# KiCad board Panel3-copy.kicad_pcb (continued)
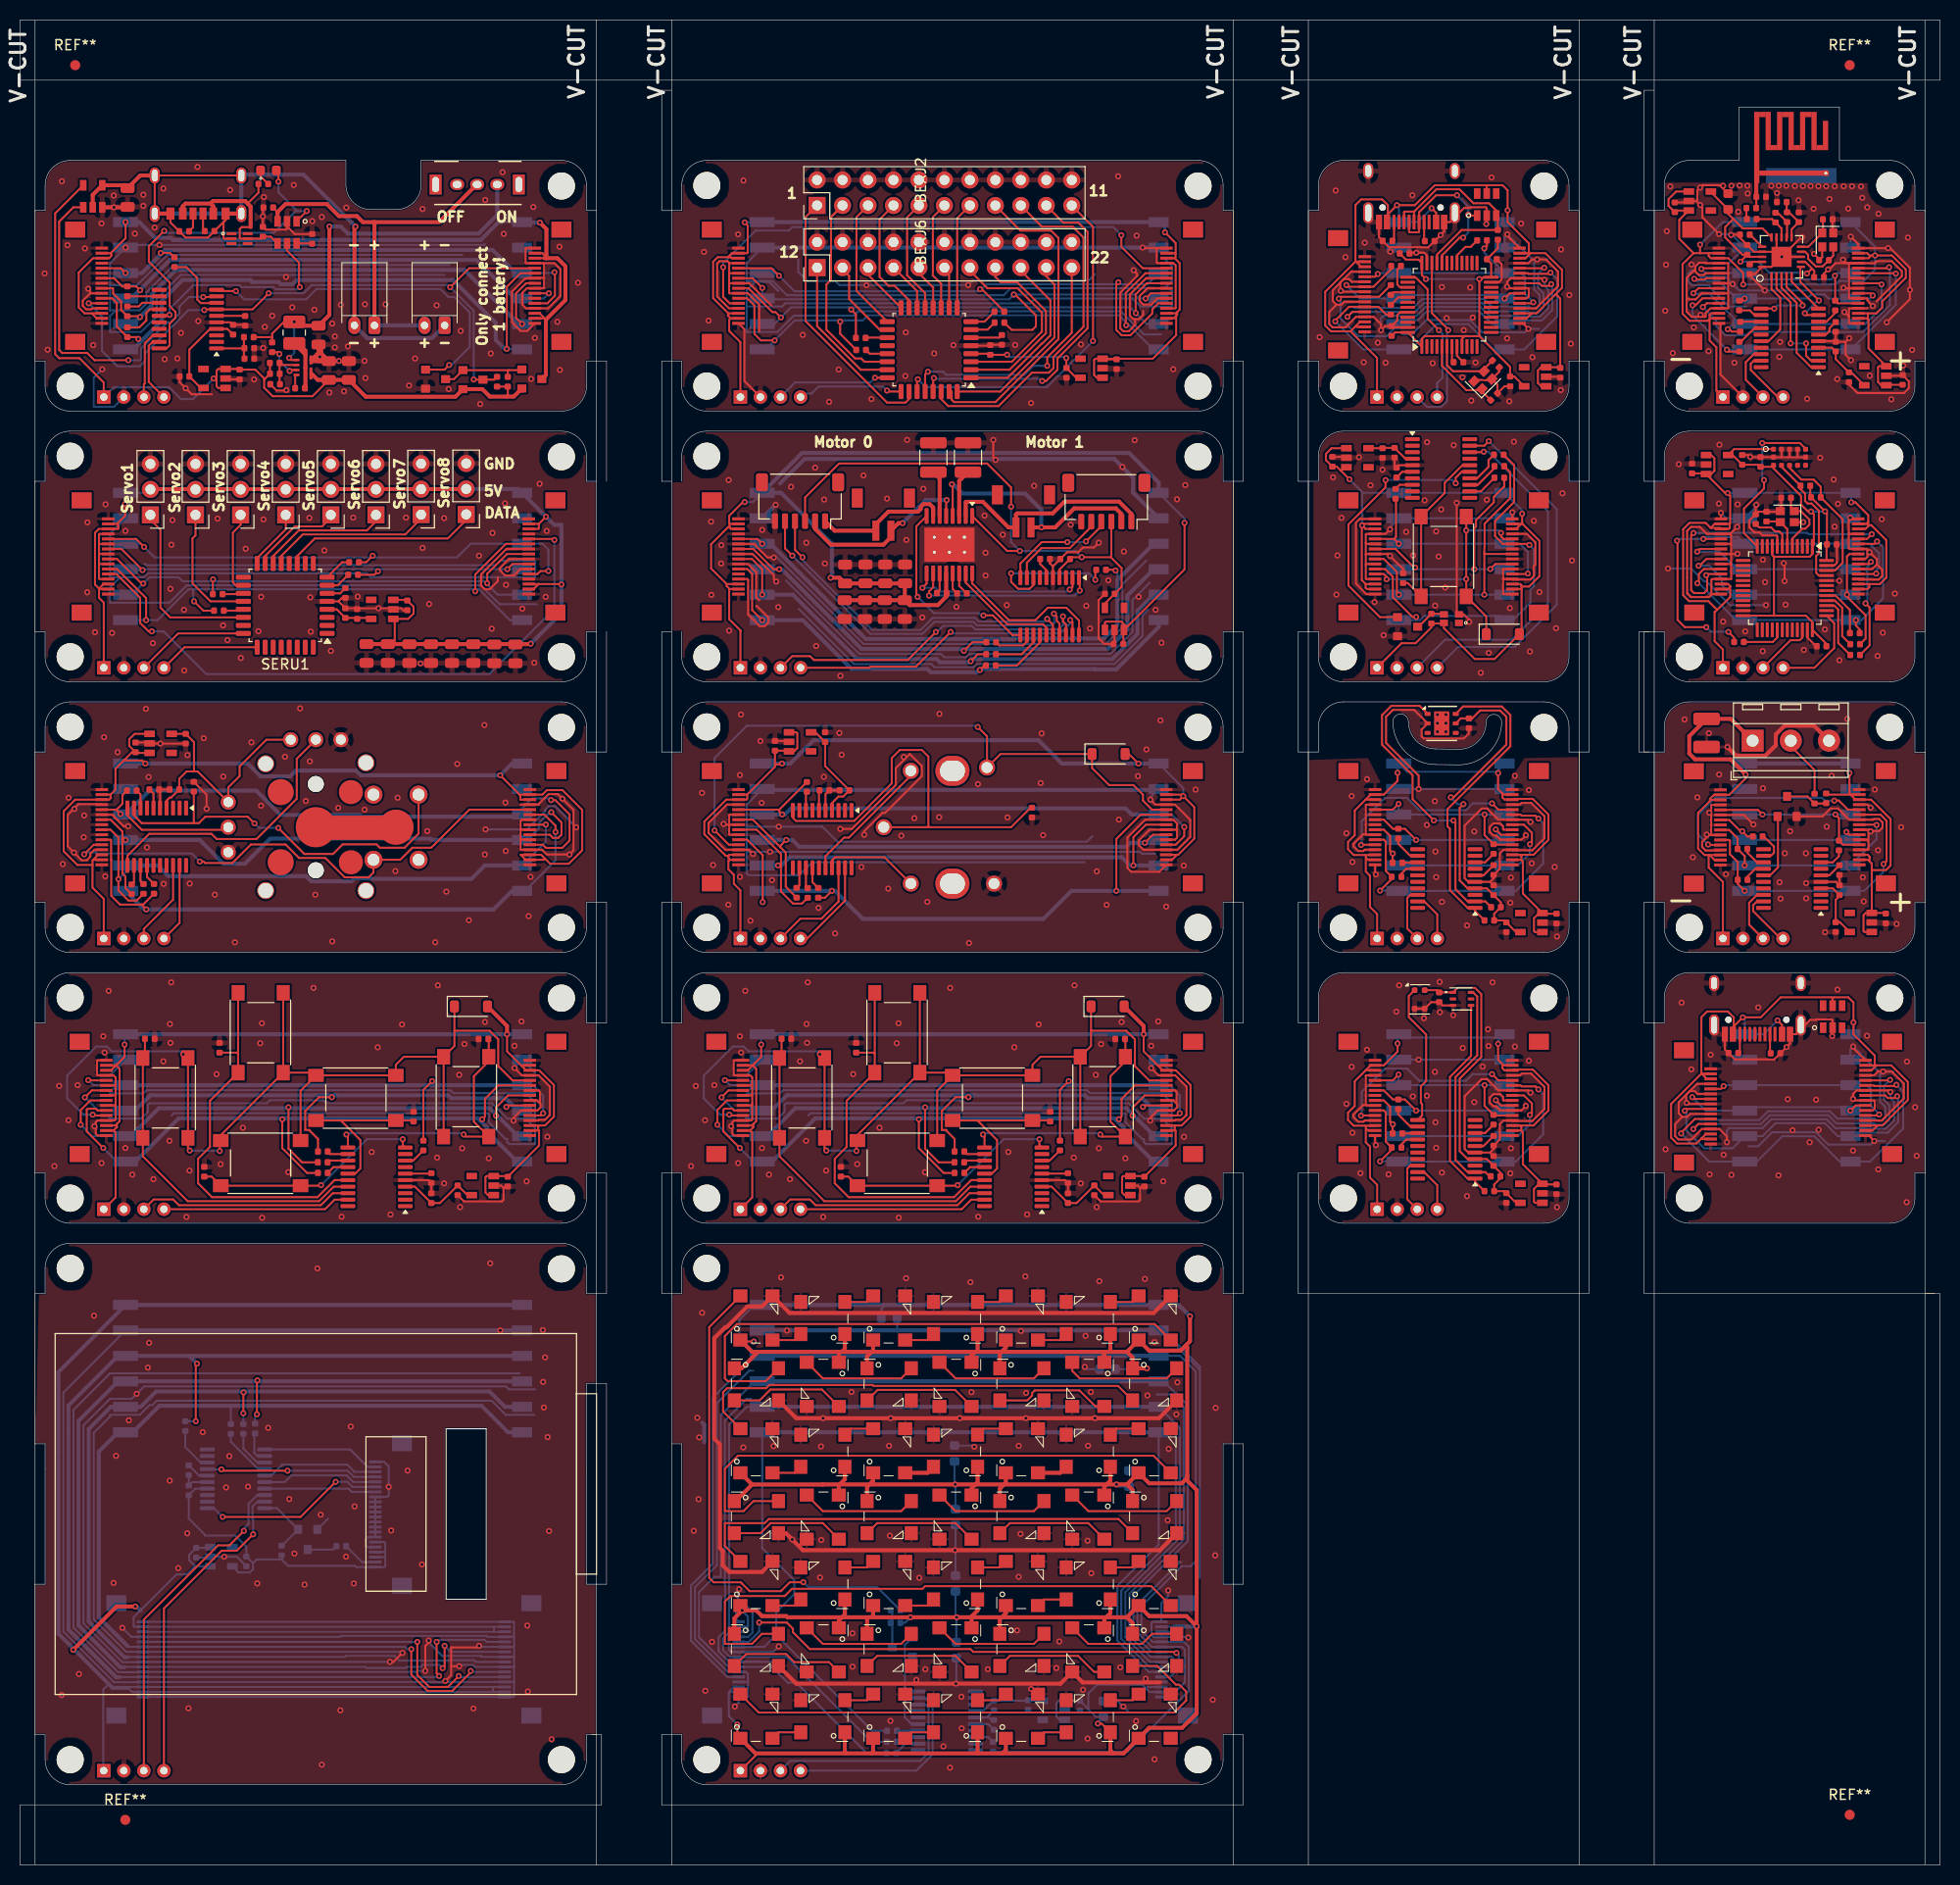
[diagram p0: board, top side]
## Routing (per net, layer and track width the routed paths; a pad name or vN(x,y) marks a point on that pad's centre or on a via; arc(x,y) is an arc through that point) (continued)
USB_Interrupt5V: length 29.6
  Top w0.2: USBJ6.12 151.97,159.25 v1(152.03,159.3) ; USBJ5.12 132.9,154.9 v1(132.4,154.4)
  Bottom w0.2: v1(152.03,159.3) 151.43,158.7 151.43,157.29 151.95,156.77 151.95,155.33 151.45,154.84 150.54,154.84 150.42,154.95 146.68,154.95 145.86,155.78 140.02,155.78 139.13,154.89 132.89,154.89 v1(132.4,154.4)
USB_MISO: length 38.2
  Top w0.2: v1(131.54,156.22) 131.73,156.4 USBJ5.9 135.56,156.4 USBR6.2 ; USBJ6.9 151.54,157.75 151.8,157.49 152.55,157.49 v1(152.73,157.66)
  Bottom w0.2: USBJ3.2 148.42,154.04 151.78,154.04 152.82,155.07 152.82,157.57 v1(152.73,157.66) ; USBJ3.2 146.81,153.69 145.53,154.97 140.35,154.97 139.47,154.09 137.93,154.09 USBJ1.5 136.31,152.47 133.47,152.47 131.71,154.24 131.71,156.05 v1(131.54,156.22) ; USBJ3.2 147.57,153.69
USB_MISO_UC: length 1.6
  Top w0.2: 138.26,156.85 136.97,156.85 USBR6.1
USB_MOSI: length 41.1
  Top w0.2: USBR4.2 136.26,154.63 135.49,155.4 USBJ5.11 134.12,155.4 132.55,155.4 131.18,154.03 v1(131.18,153.95) ; v1(152.66,158.81) 152.54,158.69 150.46,158.69 150.4,158.75 USBJ6.11
  Bottom w0.2: v1(152.66,158.81) 153.33,158.13 153.33,154.45 150.03,151.15 USBJ3.1 147,151.15 144.47,153.68 141.28,153.68 138.75,151.15 USBJ1.6 133.99,151.15 v1(131.18,153.95)
USB_MOSI_UC: length 1.8
  Top w0.2: 138.26,156.35 137.47,156.35 USBR4.1
USB_Net-(J2-CC1): length 1.9
  Top w0.2: 140.04,163.85 140.04,162.02 140.12,161.95
USB_Net-(J2-CC2): length 1.9
  Top w0.2: 137.04,163.85 137.04,162.13 136.88,161.97
USB_Net-(U1-NRST): length 1.6
  Top w0.2: USBC4.2 142.82,150.04 USBU1.7
USB_OSC_IN: length 8.4
  Top w0.2: USBU1.5 141.82,149.52 144.26,147.08 145.69,147.08 USBY2.1 145.81,146.96 USBC6.2
USB_OSC_OUT: length 7.2
  Top w0.2: USBU1.6 142.32,149.58 142.93,148.97 146.03,148.97 146.03,149.21 USBC7.2
USB_PS: length 25.1
  Top w0.2: USBJ6.5 150.85,155.75 ; v1(146.05,161.22) 146.31,161.49 USBR5.2 ; v1(135.43,158.67) 135.15,158.4 USBJ5.5
  Bottom w0.2: USBJ3.4 146.05,160.79 v1(146.05,161.22) ; USBJ3.4 USBJ1.3 135.52,158.77 v1(135.43,158.67) ; USBJ3.4 148.48,158.77 ; USBJ3.4 149.71,158.77 150.12,158.35 150.12,156.7 150.94,155.89 v1(150.94,155.85)
USB_PS_UC: length 3.4
  Top w0.2: USBR5.1 144.69,161.38 144.17,161.38 143.32,160.53 USBU1.29
USB_SCLK: length 23.9
  Top w0.2: USBR7.2 136.76,159.16 135,157.4 USBJ5.7 132.47,157.4 v1(132.29,157.57) ; v1(148.07,156.23) 148.59,156.75 USBJ6.7
  Bottom w0.2: v1(148.07,156.23) 147.73,156.57 137.87,156.57 USBJ1.4 133.64,156.23 v1(132.29,157.57)
USB_SCLK_UC: length 3.2
  Top w0.2: USBR7.1 137.38,159.12 137.38,157.62 137.64,157.35 USBU1.39
USB_SWDCLK: length 15.5
  Top w0.2: USBU1.37 139.18,158.35 140.4,157.13 140.4,154.2 v1(141.53,153.07)
  Bottom w0.2: v1(141.53,153.07) 141.88,152.72 141.88,148.32 141.35,147.8 USBJ4.4 141.35,147.85
USB_SWDIO: length 18.1
  Top w0.2: USBU1.34 140.82,154.78 142.45,153.15 v1(142.45,153.07)
  Bottom w0.2: USBJ4.3 140.32,145.43 141.75,145.43 142.32,146 142.32,152.95 v1(142.45,153.07)
USB_USB_D+: length 23
  Top w0.2: 139.04,164.9 141.27,167.12 143.57,167.12 144.97,165.73 146.52,165.73 147.24,165 USBIC1.3 147.4,164.34 USBR12.1 143.79,163.06 141.32,160.6 USBU1.33 ; 139.04,164.9 139.04,163.85 ; 139.04,164.9 138.11,164.9 138.04,164.83 138.04,163.85
USB_USB_D-: length 17.9
  Top w0.2: USBU1.32 141.82,160.53 143.59,162.3 v1(143.94,162.3) ; v1(143.32,166.53) 141.24,166.53 139.54,164.83 139.54,162.88 139.5,162.83 138.59,162.83 138.54,162.88 138.54,163.85 ; USBIC1.1 144.55,164.5 v1(144.45,164.6)
  Bottom w0.2: v1(143.94,162.3) 144.45,162.81 v1(144.45,164.6) 144.45,165.4 v1(143.32,166.53)
USB_VDD: length 39.8
  Top w0.2: USBC1.1 137.15,152.85 USBU1.48 USBU1.1 139.82,152.21 140.09,152.47 144.38,152.47 ; v1(140.22,158.17) 139.82,158.57 USBU1.36 139.48,160.1 138.24,160.1 137.62,160.72 ; 145.56,152.47 145.56,157.94 145.97,158.35 USBU1.24 146.74,159.73 USBC5.1 147.4,161.24 USBR12.2 ; 145.56,152.47 148.62,149.41 USBC9.1 149.06,148.44 USBU2.5 ; 145.56,152.47 144.38,152.47 ; 144.38,152.47 144.09,152.47 143.82,152.21 USBU1.9
  Bottom w0.2: v1(140.22,158.17) v1(145.55,158.17)
WIR_5V: length 91
  Top w0.2: 184.56,160.44 184.65,160.53 v1(185.03,160.53) 186.7,160.53 188.1,159.12 188.1,158.3 185.75,155.95 185.75,155.33 185.18,154.75 184.35,154.75 ; 184.56,160.44 184.38,160.25 WIRJ3.14 ; 184.56,160.44 184.25,160.75 WIRJ3.15 ; 184.35,154.75 WIRJ3.3 ; 184.35,154.75 184.31,154.71 184.31,154.16 ; v1(171.87,157.63) 171.87,158.77 170.4,160.25 WIRJ5.3 168.65,160.25 168.43,160.47 168.43,160.75 ; 184.31,154.16 184.22,154.25 WIRJ3.2 ; 184.31,154.16 184.38,154.09 184.38,151.25 186.15,149.47 185.42,149.47 185.32,149.38 185.32,147.9 185.65,147.57 WIRU2.1 186.2,147.62 WIRC8.1 ; 168.43,160.75 WIRJ5.2 ; 168.43,160.75 167.57,160.75 ; v1(167.57,161.6) 167.57,160.75 ; 167.57,160.75 166.93,160.75 ; 166.93,160.75 165.82,159.65 165.82,154.7 166.53,154 168.33,154 168.58,154.25 ; 166.93,160.75 165.5,162.18 165.5,164.07 166.43,165 WIRU1.3 165.21,165 WIRC11.1 164.43,165.47 164.43,166.14 165.18,166.9 WIRU1.1 ; 168.53,154.2 168.53,152.05 169.2,151.38 169.2,147.05 WIRJ4.1 ; 168.53,154.2 168.53,154.59 168.53,154.6 168.68,154.75 WIRJ5.14 ; 168.53,154.2 168.58,154.25 ; WIRJ5.15 168.58,154.25
  Bottom w0.2: WIRJ2.6 185.03,161.4 v1(185.03,160.53) 185.03,159.12 183.88,157.97 181.45,157.97 181.11,157.63 v1(171.87,157.63) ; v1(167.57,161.6) 169.82,163.85 WIRJ1.1
WIR_GND: length 160.1
  Top w0.2: 182.42,158.38 182.42,159.7 182.47,159.75 WIRJ3.13 ; 182.42,158.38 182.42,157.22 ; 182.42,158.38 182.54,158.25 WIRJ3.10 ; WIRU3.5 181.04,151.97 WIRC2.2 ; 167.62,154.4 168.09,154.4 168.12,154.43 168.12,154.77 168.61,155.25 WIRJ5.13 170.33,155.25 170.38,155.3 170.38,156.72 ; 167.62,154.4 167.62,154.6 v1(167.63,154.61) ; 167.62,154.4 166.75,154.4 166.22,154.93 166.22,156.32 ; WIRU4.21 174.7,159.39 WIRU4.20 173.04,158.66 172.53,158.66 172.53,158.53 v1(174.03,157.03) ; WIRU4.21 175.71,160.39 177.67,162.35 v1(177.75,162.35) ; WIRU4.21 175.2,160.89 ; WIRU4.21 v1(175.72,160.39) WIRU4.8 ; v1(184.8,155.47) 184.4,155.88 184.4,155.93 184.27,156.05 184.27,156.2 184.22,156.25 WIRJ3.6 182.47,156.25 182.42,156.3 182.42,157.22 ; v1(182.6,162.4) 183.34,161.66 WIRJ3.16 v1(186.32,161.25) 186.54,161.25 188.5,159.29 v1(188.5,157.1) 188.5,156.16 v1(186.19,153.86) ; 170.38,157.72 170.38,158.68 ; 170.38,157.72 170.35,157.75 WIRJ5.8 ; 170.38,157.72 170.38,156.72 ; 170.38,158.68 170.31,158.75 WIRJ5.6 168.12,158.75 167.95,158.57 167.45,158.57 167.1,158.93 167.1,159.1 ; 170.38,158.68 170.38,159.7 170.33,159.75 WIRJ5.4 168.18,159.75 168.12,159.8 167.47,159.8 167.1,159.43 167.1,159.1 ; 167.1,159.1 167.05,159.1 166.22,158.28 166.22,156.32 ; 182.42,154.43 182.42,155.2 182.47,155.25 WIRJ3.4 184.22,155.25 184.27,155.3 ; 182.42,154.43 182.42,154.43 v1(181.97,154.88) ; 182.42,154.43 182.42,153.8 182.47,153.75 WIRJ3.1 ; v1(181.82,160.1) 182.18,159.75 WIRJ3.13 ; 175.2,160.89 WIRU4.17 172.95,160.89 WIRC15.2 171.56,162.28 171.56,162.6 170.7,162.6 v1(170.68,162.57) ; 175.2,160.89 WIRU4.14 ; 167.18,165.95 167.3,166.07 167.3,167 v1(167.59,167.29) 167.82,167.53 169.54,167.53 WIRC13.2 ; 167.18,165.95 v1(167.58,165.55) 167.8,165.33 167.8,164.33 v1(169.47,162.65) ; 167.18,165.95 WIRU1.2 166.31,165.81 WIRC11.2 ; WIRC1.2 WIRC2.2 ; WIRC2.2 182.09,151.92 ; WIRJ3.13 181.08,159.75 180.44,159.12 v1(180.33,159.12) 179.93,158.71 WIRC9.2 ; WIRJ3.13 185,159.75 185.2,159.95 186.71,159.95 187.7,158.96 187.7,158.46 185.16,155.93 ; WIRY2.4 180.79,162.84 WIRC5.2 ; WIRU2.2 187.71,148.53 WIRC8.2 188.4,147.97 188.4,147.29 187.91,146.8 183.27,146.8 182.43,147.65 WIRC12.2 ; 166.22,156.32 166.4,156.15 167.15,156.15 167.75,156.75 WIRJ5.10 170.35,156.75 170.38,156.72 ; 182.09,151.92 v1(182.45,152.28) ; 182.09,151.92 182.09,150.6 v1(182.62,150.07) ; WIRY2.2 179.76,160.36 WIRC6.2 179.45,160.17 v1(178.95,160.68) ; 182.42,157.22 182.44,157.25 WIRJ3.8 181.93,157.25 v1(181.88,157.3) ; WIRJ4.2 169.6,148.65 169.6,153.6 WIRJ5.16
  Bottom w0.2: 170.47,159.76 WIRJ1.2 170.76,162.57 v1(170.68,162.57) 170.6,162.65 v1(169.47,162.65) ; 182.38,157.03 171.47,157.03 170.13,158.37 167.66,158.37 166.98,159.05 166.75,159.05 166.39,158.69 166.39,157.94 166.78,157.55 168.53,157.55 168.53,157.38 170.47,155.43 172.18,155.43 ; WIRJ2.5 182.6,161.34 v1(182.6,162.4)
  vias: v1(164.1,155) v1(164.18,159.6) v1(164.25,162.95) v1(164.6,167.4) v1(164.85,150.78) v1(166.72,159.62) v1(166.95,153.35) v1(168.43,150.97) v1(169.88,167.47) v1(170.7,167.47) v1(170.82,157.68) v1(171,149.82) v1(171.38,164.88) v1(171.53,167.5) v1(172.3,167.47) v1(172.32,166.7) v1(174.68,167.47) v1(175.25,166.75) v1(175.43,167.47) v1(175.47,150.4) v1(175.55,151.9) v1(176.18,167.47) v1(177.03,167.45) v1(177.4,166.03) v1(177.82,167.45) v1(178.25,146.22) v1(178.6,167.45) v1(178.9,165.18) v1(179.38,167.43) v1(180.15,167.43) v1(180.47,166.15) v1(181,167.43) v1(181.25,148.2) v1(181.9,167.43) v1(182.35,165.2) v1(182.72,167.43) v1(183.62,167.4) v1(183.75,166.28) v1(184.25,165.32) v1(184.5,148.53) v1(185.38,164.68) v1(186.65,146.18) v1(187.85,149.55) v1(188.3,162.3) v1(188.72,151.1)
WIR_Interrupt5V: length 30.1
  Top w0.2: v1(167.85,155.38) 168.22,155.75 WIRJ5.12 ; WIRJ3.12 186.32,159.25 v1(186.43,159.35)
  Bottom w0.2: v1(186.43,159.35) 186.5,159.28 186.5,155.57 183.81,152.89 172.53,152.89 172.2,152.57 170.08,152.57 169.18,153.48 169.18,154.05 v1(167.85,155.38)
WIR_MISO: length 31.4
  Top w0.2: WIRJ5.9 167.4,157.25 v1(166.9,156.75) ; v1(185.68,157.62) 185.55,157.75 WIRJ3.9 ; v1(170.33,153.17) 170.49,153.17 170.73,152.93 WIRR4.2
  Bottom w0.2: WIRJ1.5 170.85,153.69 v1(170.33,153.17) ; WIRJ1.5 171.53,153.69 168.54,156.69 166.96,156.69 v1(166.9,156.75) ; WIRJ1.5 WIRJ2.2 184.05,153.69 185.68,155.32 v1(185.68,157.62)
WIR_MOSI: length 35.6
  Top w0.2: v1(170.25,151.12) 170.44,150.94 WIRR2.2 ; WIRJ3.11 187.06,158.75 ; WIRJ5.11 167.81,156.25 167.11,155.55 v1(166.82,155.55)
  Bottom w0.2: v1(166.82,155.55) 166.82,154.55 v1(170.25,151.12) 172,151.12 WIRJ1.6 WIRJ2.1 182.64,151.15 187.1,155.61 v1(187.1,158.71)
WIR_Net-(AE1-A): length 6.1
  Top w0.2: WIRC10.2 173.18,165.27 WIRC7.1
  Top w0.4: WIRC7.1 173.18,171.23 173.23,171.28
WIR_Net-(C10-Pad1): length 1.1
  Top w0.2: WIRC10.1 172.19,164.2 WIRL3.1
WIR_Net-(U3-NRST): length 2.4
  Top w0.2: WIRU3.6 180.12,152.62 180.48,152.98 180.48,153.26 WIRC1.1
WIR_Net-(U3-PA1): length 2.3
  Top w0.2: WIRU3.8 180.19,153.93 181.05,154.79 WIRR1.1
WIR_Net-(U3-PA5): length 2.4
  Top w0.2: WIRU3.12 173.01,154.57 172.53,155.05 WIRR3.1
WIR_Net-(U3-PA6): length 2.1
  Top w0.2: WIRR4.1 171.6,153.93 WIRU3.13
WIR_Net-(U3-PA7): length 2.7
  Top w0.2: WIRU3.14 173.01,153.28 171.64,151.91 WIRR2.1
WIR_Net-(U4-ANT1): length 3.1
  Top w0.2: WIRU4.12 176.25,162.38 176.25,163.85 175.32,164.78 WIRL1.1
WIR_Net-(U4-ANT2): length 3.8
  Top w0.2: WIRU4.13 175.7,163.22 174.76,164.15 WIRL3.2
WIR_Net-(U4-DVDD): length 1.3
  Top w0.2: WIRU4.19 172.78,159.89 WIRC3.1
WIR_Net-(U4-IREF): length 1.7
  Top w0.2: WIRU4.16 172.55,162.6 WIRR6.2
WIR_Net-(U4-VDD_PA): length 4.4
  Top w0.2: WIRC4.1 176.21,164.87 WIRL4.1 176.45,164.82 WIRC14.1 176.7,163.12 WIRU4.11
WIR_PS: length 22.3
  Top w0.2: WIRJ3.5 181.31,155.75 WIRR1.2 181.05,158.47 v1(181.03,158.5) ; WIRJ5.5 167.78,159.25 v1(167.7,159.18)
  Bottom w0.2: WIRJ2.4 181.29,158.77 v1(181.03,158.5) 180.65,158.12 172.67,158.12 WIRJ1.3 168.1,158.77 v1(167.7,159.18)
WIR_SCLK: length 23.8
  Top w0.2: v1(172.03,156.23) 171.81,156.02 WIRR3.2 ; v1(166.99,158.19) 167.05,158.12 168.06,158.12 168.19,158.25 WIRJ5.7 ; WIRJ3.7 184.57,156.75 v1(184.8,156.53)
  Bottom w0.2: v1(166.99,158.19) 167.21,157.97 169.48,157.97 171.22,156.23 v1(172.03,156.23) 178.28,156.23 178.68,156.63 179.97,156.63 180.38,156.23 WIRJ2.3 184.5,156.23 v1(184.8,156.53)
WIR_SWDCLK: length 6.1
  Top w0.2: 173.66,150.03 172.93,150.03 172.62,149.72 172.62,149.11 175.33,146.4 WIRJ4.4
WIR_SWDIO: length 6.1
  Top w0.2: WIRJ4.3 172.12,148.12 172.12,149.87 172.93,150.68 WIRU3.18
WIR_VDD: length 6.6
  Top w0.2: WIRU3.4 180.72,151.32 WIRC2.1 181.1,150.19 WIRC12.1 182.66,148.86 WIRU2.5
WIR_VDD_NRF: length 26
  Top w0.2: WIRU1.5 168.65,166.84 WIRC13.1 170.38,164.68 171.83,163.22 173.81,163.22 WIRU4.15 ; 170.89,164.16 170.07,163.35 170.07,162.33 171.81,160.59 WIRC15.1 ; v1(178.22,158.72) 178.25,158.72 178.74,159.21 ; WIRU4.7 178.06,159.89 178.74,159.21 ; 178.74,159.21 178.96,159 178.96,158.35 ; v1(171.6,159.9) 171.6,159.91 WIRC15.1 ; WIRC15.1 172.48,160.39 WIRU4.18
  Bottom w0.2: v1(171.6,159.9) 173.38,159.9 174.47,158.8 178.15,158.8 v1(178.22,158.72)
WIR_W_CSN: length 11.5
  Top w0.2: v1(178.15,151.75) 178.15,150.53 178.65,150.03 179.39,150.03 ; WIRU4.2 175.2,157.23 176.6,155.83 v1(176.6,151.75)
  Bottom w0.2: v1(178.15,151.75) v1(176.6,151.75)
WIR_W_Enable: length 8.1
  Top w0.2: WIRU3.16 174.4,151.97 175.57,153.15 175.57,156.29 174.7,157.17 WIRU4.1
WIR_W_INT: length 7.5
  Top w0.2: WIRU4.6 177.57,159.32 177.57,157.89 v1(179.43,156.03) ; WIRU3.9 178.21,154.57 v1(178.02,154.76)
  Bottom w0.2: v1(179.43,156.03) 179.29,156.03 v1(178.02,154.76)
WIR_W_MISO: length 4.3
  Top w0.2: 179.39,155.22 176.7,157.91 WIRU4.5
WIR_W_MOSI: length 7.8
  Top w0.2: WIRU4.4 176.2,157.37 177.8,155.77 v1(177.8,155.53) ; v1(174.97,155.22) 173.66,155.22
  Bottom w0.2: v1(177.8,155.53) 175.28,155.53 v1(174.97,155.22)
WIR_W_SCK: length 11
  Top w0.2: WIRU4.3 175.7,157.3 177.2,155.8 177.2,150.83 178.65,149.38 WIRU3.1
WIR_XC13: length 4.1
  Top w0.2: WIRC5.1 179.82,162.84 WIRY2.1 178.37,161.39 WIRU4.10
WIR_XC23: length 5.4
  Top w0.2: WIRU4.9 178.06,160.89 178.35,160.6 178.35,160.19 179.11,159.43 179.8,159.43 WIRC6.1 180.86,160.49 WIRY2.3

## Copper pours and planes (outline as drawn; the poured copper is in the pictures)
BAT_GND on Top, Bottom: 0.73,170.65 56.6,170.7 56.85,144.5 0.42,144.3
BEX_GND on Top, Bottom: 64.03,171.15 122.28,170.8 123.22,143.78 63.62,144.57
BLK_GND on Top, Bottom: 63.5,90.1 122.97,90.55 122.35,63.78 63.25,63.15
BTS_GND on Top, Bottom: 0,90.1 59.48,90.55 58.85,63.78 -0.25,63.15
BUT_GND on Top, Bottom: 129,143.5 163,143.5 163,117.5 129,117.5
DIA_GND on Top, Bottom: 64.45,116.6 122.9,117.03 123.28,90.08 64.2,90.4
DIS_GND on Top, Bottom: 161.9,144.25 197.4,143.6 197.4,117.6 160.85,117.05
JOY_GND on Top, Bottom: 0.2,116.6 59.08,116.84 59.57,90.18 0.35,90.35
LED_GND on Top, Bottom: 162.25,117.03 197.5,116.5 197.5,90.5 162.18,90.72
LIG_GND on Top, Bottom: 127.8,89.5 161.8,89.5 161.8,63.5 127.8,63.5
MAT_GND on Top, Bottom: 64.08,63.32 122.86,63.12 126.89,3.37 62.84,3.55
MOT_GND on Top, Bottom: 64.45,143.7 121.4,143.72 122.85,117.35 64.55,117.6
POW_GND on Top, Bottom: 161.7,89.45 195.7,89.45 195.7,63.45 161.7,63.45
SCR_GND on Top, Bottom: 2,62.5 57.46,63.04 58.8,7.57 0.77,6.68
SER_GND on Top, Bottom: 2,143.5 58.73,143.47 60.58,117.55 2,117.5
TMP_/DAP on Bottom: 137.53,116.42 147.15,116.62 146.97,113.58 144.2,110.33 140.72,110.6 138.22,112.47 137.5,116.45
TMP_GND on Top, Bottom: 127.8,116.5 161.8,116.5 161.8,90.5 127.8,90.5
USB_GND on Top, Bottom: 127.2,170.45 161.2,170.45 161.2,144.45 127.2,144.45
WIR_GND on Top, Bottom: 161.12,167.75 163.9,167.8 191.25,167.72 192.07,165.6 190.18,144.55 160.8,143.9
WIR_GND on Bottom: 173.55,167.79 174.17,167.79 174.17,169.25 189.03,169.25 189.01,167.16 173.53,167.17

## Text on the board
Edge.Cuts: V-CUT
